# Altium PCB myAMP - Copy.PcbDoc (continued)
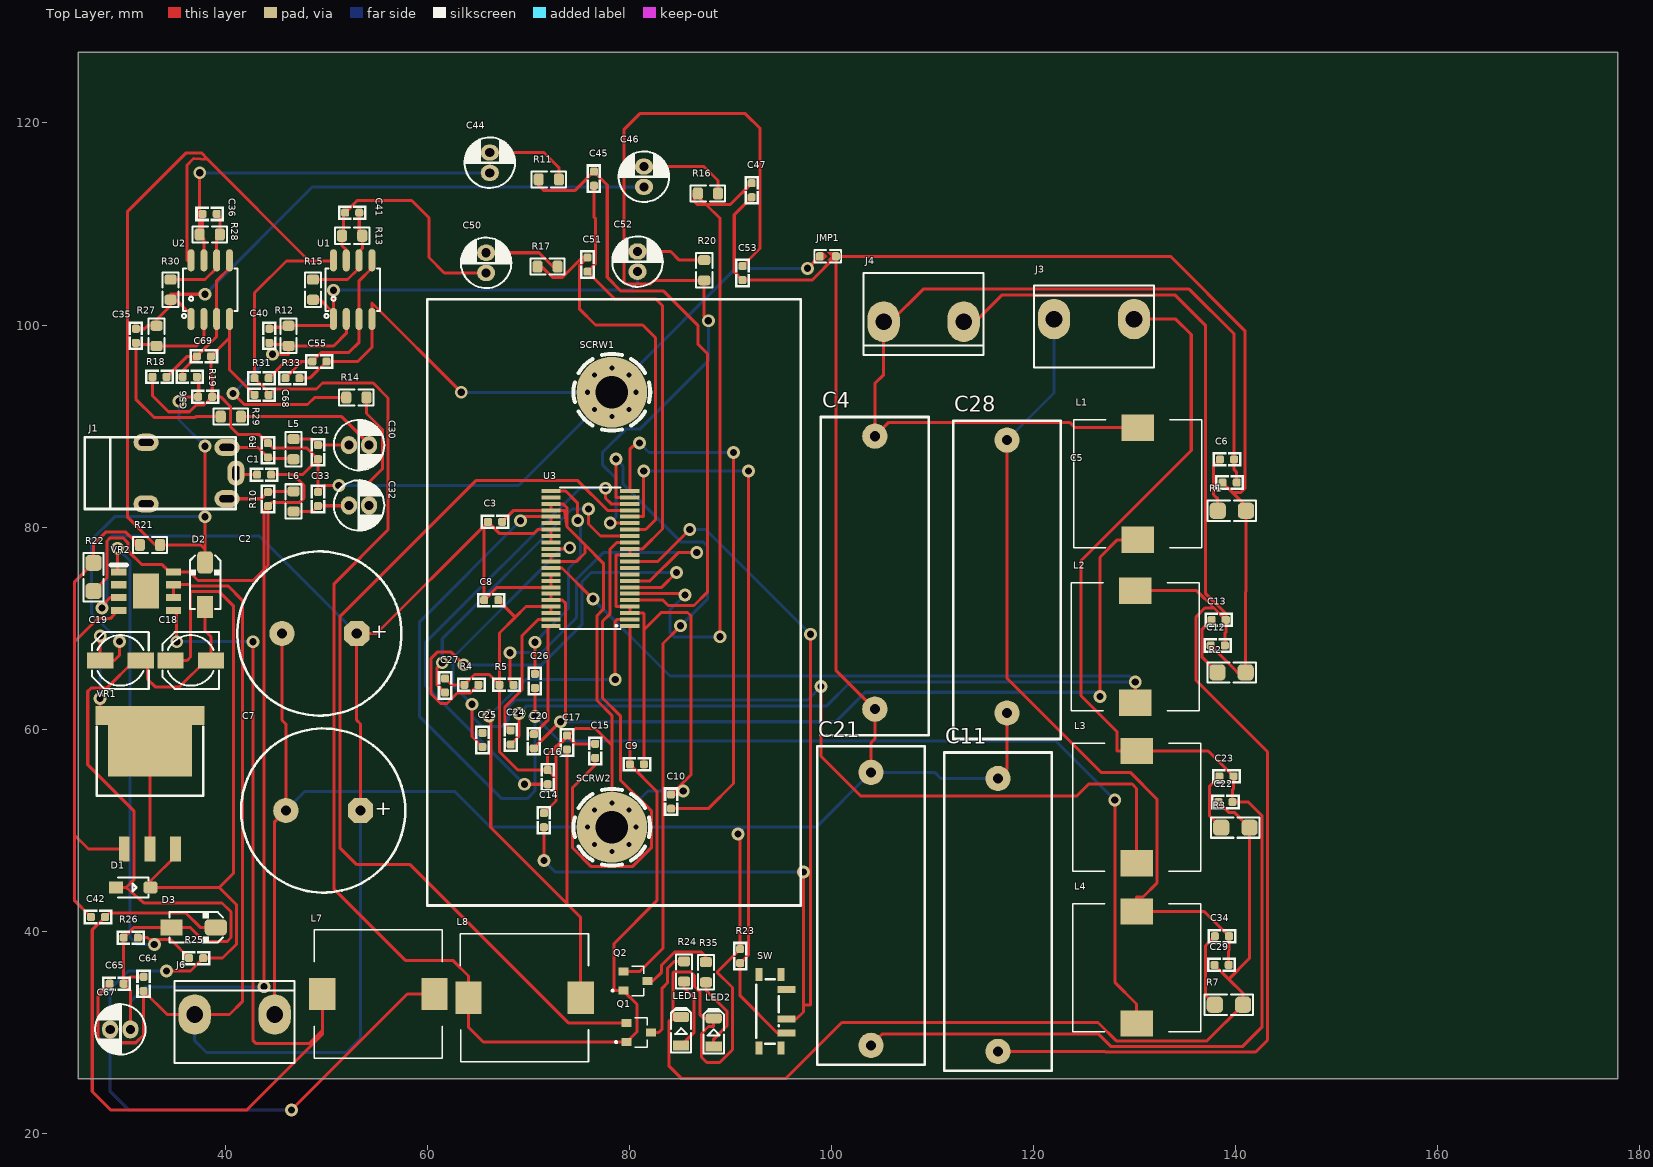
[diagram p0: Top Layer view]
## Footprints (in the part's own frame and the unit in brackets; to place one, negate y for a bottom-side part, rotate by r counter-clockwise, add the part's x,y. Pads: shape width x height; smd on the part's side, far side on the other; paste and mask are expansions set on the pad) (continued)
C_MKP_THT [mm] "pins distance: 27"
  round 2.5 hole 1: 1(-553.72,-3.427) 2(-526.701,-3.427)
  silkscreen extent -555.62,-8.76 -524.13,1.9
D2PAK [mm]
  rect 2.5x1.07 smd: 1(0,2.54) 2(0,-2.54) 3(0,0)
  rect 1.91x10.8 smd: 3(-13.215,0)
  rect 6.99x8.33 smd: 3(-10.675,0)
  silkscreen extent -12.13,-5.27 -5.3,5.27, body extent -13.67,-5.08 0.67,5.08, height 4.57
D_SOD123 [mm] "SOD123, 1206D"
  rect 1.4x1.2 smd paste-0.1 mask+0.1: 1(-1.7,0)
  rrect50% 1.4x1.2 smd paste-0.1 mask+0.1: 2(1.7,0)
  Top Layer pour cut-out: -1.016,1.1 -1.016,-1.1 1.016,-1.1 1.016,1.1
  silkscreen extent -1.5,-1 1.5,1, body extent -1.95,-0.97 1.95,0.96, height 1
DO-214AC [mm] "SMA Molded Diode, 2-Leads, Body 4.3x2.7mm, SOD-128"
  rect 2.2x1.6 smd paste-0.1: 1(-2.2,0)
  rrect50% 2.2x1.6 smd paste-0.1: 2(2.2,0)
  silkscreen extent -2.4,-1.5 2.9,1.5, body extent -2.75,-1.4 2.75,1.4, height 2.6
HOLE_3M [mm] "SCREW mouting, M3, 3.0mm diameter and 6.0mm FlangeHead"
  round 7 / inner round 3.5 / far side round 7 hole 3.2 mask+0.1: 1(0,0)
  Top Layer pour cut-out: 0,4 -1.531,3.696 -2.828,2.829 -3.695,1.531 -4,0 -4,0 -3.695,-1.53 -2.828,-2.828 -1.531,-3.695 0,-4 0,-4 2,-3.464 3.464,-2 4,0 4,0 3.696,1.531 2.828,2.828 1.531,3.696 0,4
  Bottom Layer pour cut-out: 0,4 -1.531,3.696 -2.828,2.829 -3.695,1.531 -4,0 -4,0 -3.695,-1.53 -2.828,-2.828 -1.531,-3.695 0,-4 0,-4 2,-3.464 3.464,-2 4,0 4,0 3.696,1.531 2.828,2.828 1.531,3.696 0,4
  silkscreen extent -3.8,-3.8 3.8,3.8
HTSSOP44_T [mm]
  rect 1.9x0.4 smd: 1(-3.9,6.668) 2(-3.9,6.033) 3(-3.9,5.398) 4(-3.9,4.763) 5(-3.9,4.128) 6(-3.9,3.493) 7(-3.9,2.858) 8(-3.9,2.223) 9(-3.9,1.588) 10(-3.9,0.953) 11(-3.9,0.318) 12(-3.9,-0.317) 13(-3.9,-0.952) 14(-3.9,-1.587) 15(-3.9,-2.222) 16(-3.9,-2.857) 17(-3.9,-3.492) 18(-3.9,-4.128) 19(-3.9,-4.763) 20(-3.9,-5.398) 21(-3.9,-6.033) 22(-3.9,-6.668) 23(3.9,-6.668) 24(3.9,-6.033) 25(3.9,-5.398) 26(3.9,-4.763) 27(3.9,-4.128) 28(3.9,-3.492) 29(3.9,-2.857) 30(3.9,-2.222) 31(3.9,-1.587) 32(3.9,-0.952) 33(3.9,-0.317) 34(3.9,0.318) 35(3.9,0.953) 36(3.9,1.588) 37(3.9,2.223) 38(3.9,2.858) 39(3.9,3.493) 40(3.9,4.128) 41(3.9,4.763) 42(3.9,5.398) 43(3.9,6.033) 44(3.9,6.668)
  silkscreen extent -3,-7 3,7, body extent -4.06,-7 4.06,7, height 1.01
J_PJ-321B [mm]
  oval 1.7x2.5 hole 0.7 slot 1.5 at 90 deg: 1(-5.969,-0.127)
  oval 2.5x1.7 hole 0.7 slot 1.5 at 0 deg: 2(-5.08,-2.667) 3(-5.08,2.413) 4(2.921,2.921) 4(2.921,-3.175)
  silkscreen extent -5.97,-3.68 9.02,3.43
JUMPER_0603 [mm] "CHIP Resistor 1/10 WATT, 1.6x0.8mm, 0603, 1608"
  rrect50% 0.8x0.8 smd paste-3 mask+0.05: 1(-0.8,0) 2(0.8,0)
  Top Layer region: 0.429,0.397 0.029,-0.003 0.429,-0.403 0.829,-0.403 0.829,0.397
  Top Layer region: -0.943,0.4 0.057,0.4 -0.343,0 0.057,-0.4 -0.943,-0.4
  silkscreen extent -1.33,-0.6 1.33,0.6, body extent -0.85,-0.4 0.85,0.4, height 0.56
L_0805 [mm] "INDUCTOR, FERRITE BEAD, 0805, 2.0X1.3mm"
  rrect50% 1x1.2 smd paste-5 mask+0.075: 1(-1,0) 2(1,0)
  Top Layer pour cut-out: -0.5,0.8 0.5,0.8 0.5,-0.8 -0.5,-0.8
  silkscreen extent -1.7,-0.8 1.7,0.8, body extent -1,-0.6 1,0.6, height 0.95
L_SLF12565 [mm]
  rect 2.6x3.2 smd: 1(-5.55,0) 2(5.55,0)
  silkscreen extent -6.35,-6.34 6.32,6.34, body extent -6.25,-6.25 6.25,6.25, height 6.85
LED_1206_RED [mm] "LED, 1206, RED"
  rect 1x1.6 smd paste-0.2 mask+0.075: 1(-1.4,0)
  rrect50% 1x1.6 smd paste-0.2 mask+0.075: 2(1.4,0)
  Top Layer pour cut-out: -1.1,1.1 -1.1,-1.1 1.1,-1.1 1.1,1.1
  silkscreen extent -2.1,-1 2.3,1, body extent -1.6,-0.8 1.6,0.8, height 0.68
PCBComponent_1 [mm]
  rect 0.7x1.8 smd: 1(0.443,-8.932) 2(1.843,-8.932) 3(4.73,-8.932)
  rect 1.3x0.7 smd: 4(-1.06,-6.215) 4(-1.056,-8.382) 4(6.23,-8.382) 4(6.23,-6.215)
  silkscreen extent -0.63,-8.14 5.77,-5.91
R_0603_2 [mm] "CHIP Resistor 1/10 WATT, 1.6x0.8mm, 0603, OPTIMIZED"
  rrect50% 0.8x0.8 smd paste-5 mask+0.075: 1(-0.7,0) 2(0.7,0)
  Top Layer pour cut-out: -0.5,0.4 0.5,0.4 0.5,-0.4 -0.5,-0.4
  silkscreen extent -1.4,-0.7 1.4,0.7, body extent -0.85,-0.4 0.85,0.4, height 0.56
R_0805 [mm] "CHIP RESISTOR 1/8 WATT ,2.0X1.3mm, 0805, 2012"
  rrect50% 1x1.2 smd paste-5 mask+0.075: 1(-1,0) 2(1,0)
  Top Layer pour cut-out: -0.5,0.8 0.5,0.8 0.5,-0.8 -0.5,-0.8
  silkscreen extent -1.7,-0.8 1.7,0.8, body extent -1.15,-0.67 1.15,0.68, height 0.76
R_1206 [mm]
  rrect50% 1.6x1.6 smd paste-5 mask+0.075: 1(-1.4,0) 2(1.4,0)
  Top Layer pour cut-out: -0.8,1 -0.8,-1 0.8,-1 0.8,1
  silkscreen extent -2.4,-1 2.4,1, body extent -1.67,-0.86 1.68,0.87, height 0.85
SO8_2 [mm] "SOP-8, 5x3.9mm body 1.27mm pitch, SOT96-1, M08A, S8, SOIC8, VO8, MS-012AA(JEDEC), R-8, 8S2, VOG8"
  oval 2.2x0.7 smd: 1(-2.9,1.905) 2(-2.9,0.635) 3(-2.9,-0.635) 4(-2.9,-1.905) 5(2.9,-1.905) 6(2.9,-0.635) 7(2.9,0.635) 8(2.9,1.905)
  silkscreen extent -2.8,-2.7 2.1,2.8, body extent -3,-2.45 3,2.45, height 1.7
SOIC127P600X170-9N [mm]
  rect 1.525x0.7 smd: 1(-2.712,1.905) 2(-2.712,0.635) 3(-2.712,-0.635) 4(-2.712,-1.905) 5(2.712,-1.905) 6(2.712,-0.635) 7(2.712,0.635) 8(2.712,1.905)
  rect 2.56x3.45 smd: 9(0,0)
  silkscreen extent -3.47,2.61 -1.95,2.61, body extent -2.45,-3 2.45,3, height 1.7
TRANS_DTC113ZKAT146 [mm]
  rect 1x0.8 smd: 1(-1.2,-0.95) 2(-1.2,0.95) 3(1.2,0)
  silkscreen extent -2.35,-1.45 0.82,1.45, body extent -1.4,-1.45 1.4,1.45, height 1.4
VH3_2 [mm]
  oval 3.2x4 hole 1.65: 1(-3.96,0) 2(3.96,0)
  silkscreen extent -5.94,-4.8 5.94,3.31, body extent -5.92,-4.66 5.9,3.84, height 10.9

## Part data
C1 C3 C4 C5 C6 C8 C9 C10 C11 C12 C13 C14 C15 C16 C17 C20 C21 C22 C23 C24 C25 C26 C27 C28 C29 C30 C31 C32 C33 C34 C35 C36 C40 C41 C44 C45 C46 C47 C50 C51 C52 C53 C56 C67 C68: library part Cap, "Capacitor", LatestRevisionDate=17-Jul-2002, LatestRevisionNote="Re-released for DXP Platform.", PackageReference=RAD-0.3, Published=8-Jun-2000, Publisher="Altium Limited"
  C3 C4 C5 C6 C8 C9 C10 C11 C12 C13 C14 C15 C16 C17 C20 C21 C22 C23 C24 C25 C26 C27 C28 C29 C34: PackageDescription="Radial Cap, Thru-Hole; 2 Leads; 0.3 in Pin Spacing"
C2 C7 C18 C19: library part "Cap Pol1", "Polarized Capacitor (Radial)", LatestRevisionDate=17-Jul-2002, LatestRevisionNote="Re-released for DXP Platform.", PackageReference=RB7.6-15, Published=8-Jun-2000, Publisher="Altium Limited"
C42 C55 C64 C65 C69: "Capacitor", LatestRevisionDate=17-Jul-2002, LatestRevisionNote="Re-released for DXP Platform.", PackageDescription="Radial Cap, Thru-Hole; 2 Leads; 0.3 in Pin Spacing", PackageReference=RAD-0.3, Published=8-Jun-2000, Publisher="Altium Limited"
D1 D2: library part "D Zener", "Zener Diode", LatestRevisionDate=17-Jul-2002, LatestRevisionNote="Re-released for DXP Platform.", PackageDescription="Diode, Thru-Hole; 2 Leads; 0.7 in Pin Spacing", PackageReference=DIODE-0.7, Published=8-Jun-2000, Publisher="Altium Limited"
D3: library part "D Schottky", "Schottky Diode", Code_JEDEC=DO-214-AA, LatestRevisionDate=17-Jul-2002, LatestRevisionNote="Re-released for DXP Platform.", PackageDescription="DO-214-AA/SMB; 2 C-Bend Leads; Body 5.3 x 3.6 mm, inc. leads (LxW)", PackageReference=SMB, Published=8-Jun-2000, Publisher="Altium Limited"
J1: Current Rating (Max)=500mA, JLCPCB Part Class="Extended Part", LCSC Part Name=3.5mm耳机座, Manufacturer="XKB Connection(中国星坤)", Operating Temperature Range=-20℃~+70℃, Soldering Temperature(Max)=235℃, Voltage Rating (Max)=30V, Add into BOM=yes, Connector Type=3.5mm耳机座, Convert to PCB=yes, Datasheet=https://atta.szlcsc.com/upload/public/pdf/source/20211011/0B12C1EC3FF575692CC2E8C172D7F9F9.pdf, Device=PJ-321B, Manufacturer Part=PJ-321B, Supplier=LCSC, Supplier Footprint=插件, Supplier Part=C692436, Symbol=PJ-321B
J3 J4 J6 JMP1: library part "Header 2", "Header, 2-Pin", LatestRevisionDate=17-Jul-2002, LatestRevisionNote="Re-released for DXP Platform.", Publisher="Altium Limited"
L1 L2 L3 L4 L5 L6 L8: library part Inductor, "Inductor", Code_IEC=1005, Code_JEITA=0402, LatestRevisionDate=29-May-2009, LatestRevisionNote="IPC-7351 Footprint Added.", PackageDescription="Chip Inductor", PackageReference=0402-A, Published=8-Jun-2000, Publisher="Altium Limited"
LED1 LED2: library part LED0, LatestRevisionDate=08-Jul-2005, LatestRevisionNote="Mech Layer 1 removed.", PackageReference=LED-0, Published=8-Jun-2000, Publisher="Altium Limited"
Q1 Q2: library part PNP_MMBT2907_SOT23, "BJT, PNP, 40v, 0.6A, SMD, SOT23", MANF="Diodes, NXP, FAIRCHILD, ON", MANF_P#=MMBT2907, PARAM="40v, 0.6A", PARAM2=250mW
R1 R2 R3 R4 R5 R7 R23 R24 R35: library part Res1, "Resistor", LatestRevisionDate=17-Jul-2002, LatestRevisionNote="Re-released for DXP Platform.", PackageDescription="Axial Device, Thru-Hole; 2 Leads; 0.3 in Pin Spacing", PackageReference=AXIAL-0.3, Published=8-Jun-2000, Publisher="Altium Limited"
R9 R10 R11 R12 R13 R14 R15 R16 R17 R20 R27 R28 R29 R30: library part "Res SEMI", "Semiconductor Resistor", LatestRevisionDate=17-Jul-2002, LatestRevisionNote="Re-released for DXP Platform.", PackageReference=AXIAL-0.5, Published=8-Jun-2000, Publisher="Altium Limited"
R18 R19 R31 R33: "Semiconductor Resistor", LatestRevisionDate=17-Jul-2002, LatestRevisionNote="Re-released for DXP Platform.", PackageDescription="Axial Device, Thru-Hole; 2 Leads; 0.5 in Pin Spacing", PackageReference=AXIAL-0.5, Published=8-Jun-2000, Publisher="Altium Limited"
R21 R22 R25 R26: "Resistor", LatestRevisionDate=17-Jul-2002, LatestRevisionNote="Re-released for DXP Platform.", PackageDescription="Axial Device, Thru-Hole; 2 Leads; 0.3 in Pin Spacing", PackageReference=AXIAL-0.3, Published=8-Jun-2000, Publisher="Altium Limited"
SCRW1 SCRW2: library part SCRW, "SCREW, M4, 4mm diameter and 8.0mm, FlatHead", ASSEMBLY=DNP
SW: Actuator Color=-, Current Rating (DC)=100mA, JLCPCB Part Class="Extended Part", Manufacturer="SHOU HAN(首韩)", Operating Temperature=-25℃~+70℃, Voltage Rating (DC)=12V, Actuator Style=-, Add into BOM=yes, Circuit=SPDT, Convert to PCB=yes, Current Rating (AC)=-, Datasheet=https://atta.szlcsc.com/upload/public/pdf/source/20220429/8AEFBC67104491914BC5659DE1F359A3.pdf, Device=MSS12C02LS-BB2.0, LCSC Part Name=MSS12C02LS-BB2.0, Manufacturer Part=MSS12C02LS-BB2.0, Mechanical Life=1万次, Mounting Style="Brick nogging", Pin Style=SMDSplicing, Supplier=LCSC, Supplier Footprint=SMD, Supplier Part=C3008585, Switch Height=1.4mm, Switch Length=6.65mm, Switch Width=2.75mm, Symbol=MSS12C02LS-BB2.0, Voltage Rating (AC)=-
U1 U2: "SoundPlus Audio Operational Amplifier with 1.1nV/?Hz Noise, Low THD and Precision 8-SOIC -40 to 85", Package="SOIC-8 Texas Instruments", Availability="In Stock", Check_prices=https://www.snapeda.com/parts/OPA1612AID/Texas+Instruments/view-part/?ref=eda, MF="Texas Instruments", MP=OPA1612AID, PRICE=None, Purchase-URL=https://pricing.snapeda.com/search/part/OPA1612AID/?ref=eda, SnapEDA_Link=https://www.snapeda.com/parts/OPA1612AID/Texas+Instruments/view-part/?ref=snap
VR1: "Voltage Regulator", LatestRevisionDate=29-May-2009, LatestRevisionNote="IPC-7351 Footprint Added.", PackageDescription="3-Pin Transistor Outline Package 2.54 mm Pitch, 15.1 mm Lead Span", PackageReference=D2PAK, Published=24-Mar-1999, Publisher="Altium Limited"
VR2: "Buck Switching Regulator IC Positive Fixed 5V 1 Output 1A 8-SOIC (0.154, 3.90mm Width) Exposed Pad", Package="SOIC-8 Monolithic Power", Check_prices=https://www.snapeda.com/parts/MP9486AGN-Z/Monolithic+Power+Systems+Inc./view-part/?ref=eda, MF="Monolithic Power", MP=MP9486AGN-Z, SnapEDA_Link=https://www.snapeda.com/parts/MP9486AGN-Z/Monolithic+Power+Systems+Inc./view-part/?ref=snap
L7: Code_IEC=1005, Code_JEITA=0402, LatestRevisionDate=29-May-2009, LatestRevisionNote="IPC-7351 Footprint Added.", PackageDescription="Chip Inductor", PackageReference=0402-A, Published=8-Jun-2000, Publisher="Altium Limited"

## Via types
v1: diameter 1.27, hole 0.711, Top Layer to Bottom Layer, 61 vias
v2: diameter 0.8, hole 0.5, Top Layer to Bottom Layer, 16 vias

## Nets (pads, with @x,y where several pads share a name; then routed paths per layer and width w, separated by ;. In a path a pad name is that pad's centre, name@x,y a point inside that pad or via, vN(x,y) a via of type N, cw(c..) or ccw(c..) an arc to the next point about the centre after c; other vN are vias at no path point)
+12: C9.1 C19.1 C56.1 C68.1 D2.2 L8.1 Q1.1 Q2.1 R19.2 R21.2 R31.2 U1.8 U2.8 U3.1 VR1.3 | length 320.5
  Top Layer w0.3: v1(27.559,63.017) 27.559,61.341 32.512,61.341 32.512,58.801 VR1.3@32.512,48.126 ; v1(27.584,69.209) 27.584,66.802 C19.1 28.981,66.802 29.489,67.31 v1(29.489,68.671) ; v1(35.391,92.456) 35.834,92.899 C56.1 37.341,92.964 37.341,94.677 R19.2 ; U2.8 36.17,106.405 36.17,115.824 36.83,116.484 38.202,116.408 ; D2.2 37.973,77.787 ; v1(37.973,88.011) v1(37.973,81.028) 37.973,77.787 ; U1.8 50.673,106.35 48.26,106.35 ; U3.1 C9.1 82.69,53.835 82.69,43.015 78.461,38.786 78.461,34.109 Q2.1 80.721,32.755 80.721,30.044 Q1.1 65.504,29.022 64.046,30.48 L8.1 64.046,35.56 62.497,37.109 57.785,37.109 50.749,44.145 50.749,74.397 56.083,79.731 56.083,92.786 54.61,94.259 49.581,94.259 48.997,93.675 44.845,93.675 C68.1 44.042,93.31 44.042,93.561 R31.2 42.861,103.186 46.025,106.35 48.26,106.35 ; 37.973,77.787 37.529,78.232 R21.2 33.045,78.232 30.302,80.975 30.302,111.252 36.093,117.043 37.643,117.043 38.202,116.408 ; 38.202,116.408 48.26,106.35
  Bottom Layer w0.3: v1(27.559,63.017) 27.559,69.209 v1(27.584,69.209) ; v1(29.489,68.671) 26.723,71.438 26.723,78.74 29.012,81.028 v1(37.973,81.028) ; v1(35.391,92.456) 35.391,90.593 v1(37.973,88.011)
+12A: C10.1 U3.22 | length 55
  Top Layer w0.3: U3.22 80.01,87.694 80.645,88.328 v1(80.962,88.328) ; C10.1 84.093,52.121 87.782,52.121 90.272,54.61 v1(90.272,87.376)
  Bottom Layer w0.3: v1(80.962,88.328) 81.915,87.376 v1(90.272,87.376)
+13.5: C18.1 C67.2 D1.2 L7.2 R25.2 VR1.1 | length 122
  Top Layer w0.3: v1(34.138,36.068) 36.514,36.068 R25.2 39.7,37.338 41.097,38.735 41.097,42.596 39.37,44.323 ; C18.1 36.195,66.802 36.525,67.132 36.525,73.609 39.37,73.609 40.767,72.212 40.767,45.72 39.37,44.323 ; VR1.1 35.052,47.449 32.561,44.958 D1.2 39.37,44.323 ; v1(46.507,22.301) 57.988,33.782 L7.2
  Bottom Layer w0.3: v1(34.138,36.068) 30.353,36.068 28.575,34.29 C67.2 28.575,24.13 30.404,22.301 v1(46.507,22.301)
AMP_CLIP: Q2.2 U3.21 | length 65.4
  Top Layer w0.3: v1(78.638,86.739) 78.638,82.931 U3.21 ; Q2.2 80.999,36.009 83.287,38.297 83.287,68.478 v1(85.039,70.231)
  Bottom Layer w0.3: v1(78.638,86.739) 79.312,86.065 79.312,84.289 85.092,78.509 87.312,78.509 87.678,78.143 87.678,72.87 v1(85.039,70.231)
AMP_FAULT: Q1.2 U3.19 | length 94
  Top Layer w0.3: Q1.2 73.929,30.922 58.268,46.584 52.984,46.584 51.308,48.26 51.308,71.12 64.821,84.633 74.821,84.633 77.792,81.661 U3.19
AMP_RESET: R23.1 SW.1 U3.18 | length 74.7
  Top Layer w0.3: U3.18 81.382,81.026 v1(81.382,85.547) ; v1(91.745,85.547) 91.745,37.643 R23.1 90.932,33.607 94.615,29.924 SW.1
  Bottom Layer w0.3: v1(81.382,85.547) v1(91.745,85.547)
AUDIO_L: J1.3 L6.1 R10.2 | length 6.9
  Top Layer w0.3: J1.3 43.516,82.804 R10.2 44.222,83.51 46.7,83.51 L6.1
AUDIO_L+: C32.2 R14.1 | length 11.9
  Top Layer w0.3: R14.1 53.943,91.243 55.524,89.662 55.524,85.772 54.208,84.455 C32.2
AUDIO_L_M: C40.1 C52.1 R12.2 R15.1 U1.1 | length 44
  Top Layer w0.3: C40.1 44.473,99.783 46.078,99.783 R12.2 50.488,99.933 50.673,100.118 U1.1 U1.1@50.673,101.188 ; R15.1 49.356,102.505 U1.1@50.673,101.188 ; v1(50.673,103.452) U1.1@50.673,101.188
  Bottom Layer w0.3: v1(50.673,103.452) 80.084,103.452 80.772,104.14 C52.1
AUDIO_L_P: C41.1 C50.1 R13.2 U1.7 | length 24.7
  Top Layer w0.3: U1.7 51.943,107.442 51.528,107.857 R13.2 51.678,108.989 51.678,110.975 C41.1 53.022,112.319 58.42,112.319 60.122,110.617 60.122,106.68 61.646,105.156 C50.1
Audio_OUT_L_M: C28.1 C29.1 C34.1 J3.1 L4.2 | length 82.6
  Top Layer w0.3: C28.1 117.348,65.024 126.644,55.728 129.54,55.728 132.182,53.086 132.182,44.755 130.81,43.383 130.175,43.383 L4.2 136.863,41.956 C34.1 139.322,38.082 139.289,38.049 C29.1
  Bottom Layer w0.3: C28.1 122.001,93.267 J3.1
Audio_OUT_L_P: C21.1 C22.1 C23.1 J3.2 L3.2 | length 133.6
  Top Layer w0.3: C21.1 105.029,29.845 126.37,29.845 127.617,28.598 140.688,28.598 142.57,30.48 142.57,51.46 141.242,52.789 C22.1 139.67,54 139.765,54.096 C23.1 137.263,57.831 L3.2 128.229,57.831 128.229,59.752 124.663,63.317 124.663,76.657 135.585,87.579 135.585,99.06 134.061,100.584 J3.2
Audio_OUT_R_M: C11.1 C12.1 C13.1 J4.1 L2.2 | length 143.1
  Top Layer w0.3: J4.1 114.198,100.33 116.865,102.997 133.966,102.997 136.982,99.98 136.982,73.458 139.003,71.438 C13.1 ; C11.1 127.063,28.099 127.118,28.044 141.963,28.044 143.129,29.21 143.129,57.76 136.068,64.821 136.068,71.12 136.931,71.984 137.842,71.984 ; L2.2 136.12,73.706 137.842,71.984 ; C12.1 138.908,69.494 139.003,69.59 C13.1 ; 137.842,71.984 C13.1
Audio_OUT_R_P: C4.1 C5.1 C6.1 J4.2 L1.2 | length 91.2
  Top Layer w0.3: L1.2 124.084,89.835 123.546,90.373 105.645,90.373 C4.1 104.267,94.209 105.133,95.075 J4.2 105.816,100.33 109.042,103.556 135.382,103.556 139.83,99.108 C6.1 139.83,85.671 140.081,85.42 C5.1
AUDIO_R: J1.2 L5.1 R9.2 | length 7.1
  Top Layer w0.3: J1.2 43.211,87.884 R9.2 44.285,86.81 46.636,86.81 L5.1
AUDIO_R+: C30.2 R29.1 | length 13.9
  Top Layer w0.3: R29.1 51.488,90.932 54.208,88.213 C30.2
AUDIO_R_M: C35.1 C46.1 R27.2 R30.1 U2.1 | length 60.2
  Top Layer w0.3: C35.1 31.979,99.633 32.279,99.933 R27.2 33.147,100.508 34.544,101.905 R30.1 ; U2.1 36.576,101.034 35.105,102.505 R30.1 ; v1(37.973,103.048) 34.544,103.048 R30.1
  Bottom Layer w0.3: v1(37.973,103.048) 48.606,113.681 C46.1
AUDIO_R_P: C36.1 C44.1 R28.2 U2.7 | length 39.7
  Top Layer w0.3: v1(37.431,115.07) R28.2 ; C36.1 37.716,109.251 R28.2 ; U2.7 37.846,108.551 R28.2
  Bottom Layer w0.3: v1(37.431,115.07) C44.1
AUDIO_TPAIN_L_M: C53.1 R20.2 U3.17 | length 84.4
  Top Layer w0.3: v1(78.08,80.391) U3.17 ; v1(87.782,100.432) 87.376,100.838 R20.2 82.414,104.426 82.067,104.079 79.639,104.079 79.451,104.267 79.451,119.38 81.001,120.929 91.44,120.929 92.888,119.482 92.888,107.569 C53.1
  Bottom Layer w0.3: v1(78.08,80.391) 78.638,80.95 78.638,84.836 77.292,86.182 77.292,87.376 79.604,89.687 81.001,89.687 87.782,96.469 v1(87.782,100.432)
AUDIO_TPAIN_L_P: C51.1 R17.2 U3.16 | length 41.3
  Top Layer w0.3: R17.2 71.298,105.783 72.382,104.699 73.33,104.699 75.314,106.683 C51.1 75.006,105.87 75.006,101.6 76.606,100 81.28,100 82.55,98.73 82.55,80.724 81.583,79.756 U3.16
AUDIO_TPAIN_R_M: C47.1 R16.2 U3.6 | length 67.7
  Top Layer w0.3: U3.6 85.344,73.406 v1(85.471,73.279) ; v1(88.951,69.139) 88.951,110.541 87.554,111.938 ; C47.1 89.964,111.938 87.554,111.938 ; 87.554,111.938 86.738,112.754 R16.2 86.36,113.022 86.36,112.255 86.677,111.938 87.554,111.938
  Bottom Layer w0.3: v1(85.471,73.279) 83.998,71.806 83.998,69.532 84.391,69.139 v1(88.951,69.139)
AUDIO_TPAIN_R_P: C45.1 R11.2 U3.5 | length 64.2
  Top Layer w0.3: R11.2 70.99,113.814 71.469,113.335 74.597,113.335 C45.1 77.775,113.871 77.775,104.724 79.146,103.353 83.363,103.353 86.742,99.973 86.742,98.122 87.681,97.184 87.681,73.558 86.36,72.238 83.82,72.238 83.287,72.771 U3.5
AUDIO_W_L_M++: C26.1 L4.1 U3.27 U3.28 | length 136.5
  Top Layer w0.3: v1(69.19,80.62) 69.596,81.026 U3.27 U3.28 ; v1(70.612,61.265) C26.1 ; v1(128.016,52.984) 128.016,34.95 130.175,32.791 L4.1
  Bottom Layer w0.3: v1(69.19,80.62) 59.207,70.637 59.207,61.239 67.335,53.111 69.85,53.111 70.612,53.873 v1(70.612,61.265) 73.05,58.826 122.174,58.826 v1(128.016,52.984)
AUDIO_W_L_P++: C25.1 L3.1 U3.32 | length 114.4
  Top Layer w0.3: v1(64.389,62.459) 64.389,59.263 C25.1 ; U3.32 73.965,77.851 v1(74.066,77.953) ; v1(98.933,64.211) 98.933,57.328 102.87,53.391 124.257,53.391 125.425,54.559 129.743,54.559 130.175,54.127 L3.1
  Bottom Layer w0.3: v1(74.066,77.953) 73.384,77.953 62.515,67.084 62.515,64.332 v1(64.389,62.459) 64.389,61.265 65.405,60.249 67.31,60.249 67.996,60.935 67.996,62.23 68.656,62.89 97.612,62.89 v1(98.933,64.211)
AUDIO_W_R_M++: C24.1 L2.1 U3.35 | length 130.3
  Top Layer w0.3: C24.1 69.037,59.301 v1(69.037,61.544) ; U3.35 73.304,75.946 v1(76.352,72.898) ; L2.1 v1(130.048,64.668)
  Bottom Layer w0.3: v1(69.037,61.544) 69.797,62.304 99.496,62.304 101.86,64.668 v1(130.048,64.668) 129.461,65.255 83.995,65.255 v1(76.352,72.898)
AUDIO_W_R_P++: C20.1 L1.1 U3.39 U3.40 | length 90.9
  Top Layer w0.3: C20.1 v1(73.134,60.731) 73.66,61.257 73.66,72.453 73.343,72.771 U3.40 U3.39 ; v1(126.543,63.221) 126.543,77.008 128.27,78.735 L1.1
  Bottom Layer w0.3: v1(73.134,60.731) 100.381,60.731 103.302,63.652 126.111,63.652 v1(126.543,63.221)
DVDD: C14.1 SW.2 U3.11 | length 106.2
  Top Layer w0.3: v1(71.501,46.99) C14.1 ; U3.11 82.753,76.581 v1(85.941,79.769) ; SW.2 96.52,31.324 97.206,32.01 97.206,32.696 ; v1(97.206,45.847) 97.206,32.696 ; v1(97.892,69.397) 97.892,32.696 97.206,32.696
  Bottom Layer w0.3: v1(71.501,46.99) 72.644,45.847 v1(97.206,45.847) ; v1(85.941,79.769) 87.52,79.769 v1(97.892,69.397)
EN: C2.1 C3.1 C7.1 C8.1 C64.1 C65.1 J6.1 U3.29 U3.30 U3.31 U3.36 U3.37 U3.38 VR2.3 VR2.6 VR2.7 | length 214.7
  Top Layer w0.3: v1(27.762,71.984) 27.762,72.212 28.575,73.025 VR2.3 ; C65.1 27.356,33.644 27.356,29.527 27.927,28.956 31.115,28.956 31.877,29.718 C64.1 34.214,31.75 J6.1 40.386,31.75 41.656,33.02 41.656,72.766 40.259,74.163 36.606,74.163 36.474,74.295 VR2.7 VR2.6 ; C7.1 53.357,60.503 52.976,60.884 C2.1 54.926,69.469 65.594,80.137 ; U3.36 U3.37 U3.38 66.864,74.041 C8.1 65.594,80.137 ; U3.31 U3.30 U3.29 70.891,79.756 70.485,79.35 67.143,79.35 C3.1 65.594,80.137
  Bottom Layer w0.3: v1(27.762,71.984) 28.247,72.469 28.247,78.59 28.778,79.121 43.324,79.121 C2.1 ; J6.1 36.934,29.157 38.1,27.991 51.943,27.991 53.357,29.405 C7.1
FB: R25.1 R26.2 VR2.1 | length 50.7
  Top Layer w0.3: v1(29.286,77.902) 29.286,75.946 VR2.1 ; R26.2 32.267,39.361 32.461,39.167 ; v1(32.944,38.684) 32.461,39.167 ; R25.1 34.555,39.167 32.461,39.167
  Bottom Layer w0.3: v1(29.286,77.902) 30.528,76.66 30.528,39.398 31.242,38.684 v1(32.944,38.684)
GNDA: C1.1 C18.2 C19.2 C31.1 C33.1 C55.2 C56.2 C64.2 C65.2 C67.1 C68.2 C69.2 D1.1 D2.1 D3.1 JMP1.2 R9.1 R10.1 R18.1 R22.1 R26.1 R33.1 SCRW1.1 U1.4 U2.4 VR2.8 | length 329.9
  Top Layer w0.3: R22.1 28.247,74.98 28.247,78.613 28.575,78.941 29.845,78.941 30.325,78.461 30.325,77.671 31.677,76.319 33.663,76.319 34.417,75.565 VR2.8 36.424,75.565 37.271,74.717 42.708,74.717 43.79,75.799 ; D1.1 30.15,44.323 ; C67.1 30.575,34.133 C65.2 ; C64.2 30.599,35.487 C65.2 ; R18.1 32.758,93 34.341,91.417 36.424,91.417 37.082,92.075 37.852,92.075 C56.2 ; D3.1 D3.1@34.63,40.386 ; D2.1 37.973,69.71 38.544,69.139 C18.2 38.049,66.802 35.433,64.186 33.02,64.186 32.258,64.948 32.258,66.802 C19.2 30.988,66.802 28.242,64.056 26.67,64.056 26.352,63.739 26.352,56.477 30.912,51.918 30.912,45.085 30.15,44.323 ; U2.4 40.386,98.741 ; C68.2 40.386,95.566 40.386,98.741 ; v1(43.79,34.493) 43.79,75.799 ; C1.1 46.698,85.192 ; R33.1 48.325,94.742 C55.2 53.086,96.393 54.483,97.79 U1.4 54.483,102.184 v1(63.322,93.345) ; v1(51.206,84.125) 49.79,84.125 C33.1 C31.1 ; v1(97.612,105.613) JMP1.2 ; C65.2 29.91,37.059 29.907,37.062 R26.1 30.932,40.386 D3.1@34.63,40.386 ; 30.15,44.323 31.902,42.799 39.649,42.799 40.538,41.91 40.538,39.37 40.132,38.964 37.897,38.964 36.474,40.386 D3.1@34.63,40.386 ; C56.2 39.511,92.899 40.488,91.923 40.488,89.941 41.275,89.154 43.341,89.154 R9.1 44.687,87.808 48.051,87.808 C31.1 ; C56.2 38.676,94.818 38.546,94.948 C69.2 40.386,98.741 ; 43.79,75.799 44.191,76.2 R10.1 ; 43.79,75.799 43.79,81.678 R10.1 ; R10.1 44.56,82.448 47.333,82.448 47.752,82.867 47.752,84.138 46.698,85.192 ; 46.698,85.192 47.62,85.192 C31.1
  Bottom Layer w0.3: C67.1 30.575,33.02 32.048,34.493 v1(43.79,34.493) ; v1(51.206,84.125) 69.012,84.125 v2(76.535,91.648) SCRW1.1 ; v1(63.322,93.345) v2(75.832,93.345) SCRW1.1 ; v1(97.612,105.613) 90.5,105.613 v2(79.929,95.042) SCRW1.1
  other v2: 78.232,90.945 79.929,91.648 80.632,93.345 76.535,95.042 78.232,95.745
GNDB: C2.2 C3.2 C4.2 C5.2 C7.2 C8.2 C9.2 C10.2 C11.2 C12.2 C14.2 C15.2 C16.2 C17.2 C21.2 C22.2 C27.2 C28.2 C29.2 C45.2 C47.2 C51.2 C53.2 J6.2 JMP1.1 LED1.2 LED2.2 R1.1 R2.1 R3.1 R4.1 R5.1 R7.1 R23.2 SCRW2.1 U3.3 U3.4 U3.12 U3.13 U3.25 U3.26 U3.33 U3.34 U3.41 U3.42 | length 624.7
  Top Layer w0.3: J6.2 44.854,50.84 C7.2 45.957,60.503 45.576,60.884 C2.2 ; C27.2 62.357,64.389 R4.1 64.643,65.405 66.082,65.405 R5.1 ; C8.2 68.676,71.089 ; C3.2 68.518,81.661 U3.26 ; C14.2 72.695,52.883 72.695,55.132 ; U3.42 U3.41 69.723,72.136 68.676,71.089 ; U3.33 U3.34 74.706,76.581 75.565,77.44 75.565,78.26 ; C45.2 76.454,110.693 76.632,110.515 76.632,106.096 C51.2 78.502,102.6 82.55,102.6 83.236,101.914 83.236,79.807 81.28,77.851 U3.13 U3.12 78.638,77.216 78.638,72.136 U3.4 U3.3 81.356,71.501 81.41,71.447 81.41,69.85 ; C15.2 74.614,58.547 C17.2@73.858,59.303 ; SCRW2.1 v2(78.232,52.692) 78.232,58.42 ; C9.2 81.41,69.85 ; v1(85.293,53.873) 84.944,53.524 C10.2 86.081,55.512 86.081,71.196 85.725,71.552 83.112,71.552 81.41,69.85 ; v1(90.703,49.632) 90.932,49.403 R23.2 88.671,35.969 88.671,35.916 90.17,34.417 90.17,28.27 88.9,27 87.63,27 87.097,27.534 87.097,29.845 87.808,30.556 88.311,30.556 LED2.2 87.312,31.372 86.97,31.715 86.97,33.96 86.411,34.519 86.411,35.598 86.042,35.966 84.358,35.966 84.275,35.883 84.275,31.499 LED1.2 83.871,31.115 83.871,26.67 85.141,25.4 95.428,25.4 100.99,30.963 126.36,30.963 128.171,29.152 137.148,29.152 R7.1 140.719,33.83 139.294,35.255 ; C47.2 90.348,110.922 90.348,105.267 C53.2 98.047,104.448 JMP1.1 ; C21.2 103.886,58.649 104.267,59.03 C4.2 100.406,65.837 JMP1.1 ; C11.2 117.348,56.007 C28.2 ; C12.2 140.106,65.684 140.106,65.616 R2.1 140.973,73.584 141.005,73.616 R1.1 140.64,81.618 140.64,82.453 139.654,83.439 ; C29.2 139.294,35.255 ; C22.2 139.294,51.765 139.841,51.765 R3.1 141.357,37.319 139.294,35.255 ; C5.2 139.654,83.439 ; R5.1 67.106,69.519 68.676,71.089 ; R5.1 67.106,57.76 68.921,55.945 C16.2 ; C16.2 72.695,55.132 ; C16.2 71.882,57.469 C17.2 C17.2@73.858,59.303 ; U3.26 U3.25 73.406,82.296 73.815,81.887 73.815,80.01 ; U3.26 73.553,81.661 73.815,80.01 ; 72.695,55.132 72.695,58.141 C17.2@73.858,59.303 ; 73.815,80.01 75.565,78.26 ; C17.2@73.858,59.303 74.625,60.071 76.581,60.071 78.232,58.42 ; 75.565,78.26 77.391,76.433 77.391,71.859 76.756,71.224 76.756,62.842 78.232,61.366 78.232,58.42 ; JMP1.1 133.528,106.807 140.894,99.441 140.894,83.82 140.513,83.439 139.654,83.439
  Bottom Layer w0.3: C7.2 47.862,53.848 62.662,53.848 66.218,50.292 v2(75.832,50.292) SCRW2.1 ; v1(85.293,53.873) 81.813,53.873 v2(79.929,51.989) SCRW2.1 ; v1(90.703,49.632) 91.364,50.292 ; C11.2 110.788,55.118 110.185,55.721 C21.2 98.457,50.292 91.364,50.292 ; SCRW2.1 v2(80.632,50.292) 91.364,50.292
  other v2: 78.232,47.892 76.535,48.595 79.929,48.595 76.535,51.989
NetC1_2: C1.2 J1.1 | length 2.2
  Top Layer w0.3: J1.1 41.173,85.192 C1.2
NetC6_2: C6.2 R1.2 | length 5.5
  Top Layer w0.3: R1.2 138.205,82.804 137.795,83.214 137.795,86.063 C6.2
NetC13_2: C13.2 R2.2 | length 6.3
  Top Layer w0.3: C13.2 136.627,69.847 136.627,67.162 R2.2
NetC15_1: C15.1 U3.14 | length 53.3
  Top Layer w0.3: C15.1 76.581,56.457 74.328,54.204 74.328,48.252 76.2,46.38 80.256,46.38 82.136,48.26 82.136,51.909 79.07,54.975 79.07,61.318 77.31,63.078 77.31,70.67 78.026,71.386 78.026,77.772 78.74,78.486 U3.14
NetC16_1: C16.1 U3.20 | length 48.2
  Top Layer w0.3: v1(69.572,54.545) C16.1 ; v1(77.597,83.845) 77.597,82.865 78.165,82.296 U3.20
  Bottom Layer w0.3: v1(69.572,54.545) 59.769,64.348 59.769,68.541 75.073,83.845 v1(77.597,83.845)
NetC17_1: C17.1 L8.2 U3.2 | length 70.1
  Top Layer w0.3: v1(66.065,61.29) 66.243,61.112 66.243,50.254 75.146,41.351 ; C17.1 73.787,54.75 73.774,54.737 73.774,42.736 75.146,41.364 75.146,41.351 ; L8.2 75.146,41.351 ; v1(78.562,64.922) 78.562,70.663 78.765,70.866 U3.2
  Bottom Layer w0.3: v1(66.065,61.29) 69.698,64.922 v1(78.562,64.922)
NetC20_2: C20.2 U3.44 | length 11.6
  Top Layer w0.3: C20.2 71.933,60.93 71.933,70.231 U3.44
NetC23_2: C23.2 R3.2 | length 6
  Top Layer w0.3: C23.2 137.389,54.353 137.389,51.417 R3.2
NetC24_2: C24.2 U3.43 | length 13.8
  Top Layer w0.3: C24.2 67.666,60.434 67.666,62.23 69.317,63.881 69.317,69.215 70.967,70.866 U3.43
NetC25_2: C25.2 U3.24
NetC26_2: C26.2 U3.23 | length 22
  Top Layer w0.3: C26.2 v1(70.612,68.605) ; U3.23 73.66,83.566 74.854,82.372 v1(74.854,80.645)
  Bottom Layer w0.3: v1(70.612,68.605) 73.949,71.942 73.949,75.905 75.108,77.064 75.108,80.391 v1(74.854,80.645)
NetC27_1: C27.1 U3.15 | length 31.7
  Top Layer w0.3: v1(61.443,66.573) 60.909,66.04 60.909,64.437 C27.1 ; v1(75.921,81.788) 75.921,80.301 77.101,79.121 U3.15
  Bottom Layer w0.3: v1(61.443,66.573) 61.443,68.936 74.295,81.788 v1(75.921,81.788)
NetC30_1: C30.1 C31.2 L5.2 | length 5.7
  Top Layer w0.3: L5.2 48.544,88.716 C31.2 49.147,88.113 C30.1
NetC32_1: C32.1 C33.2 L6.2 | length 5.7
  Top Layer w0.3: L6.2 48.606,81.541 C33.2 49.176,82.111 52.175,82.111 C32.1
NetC34_2: C34.2 R7.2 | length 7.5
  Top Layer w0.3: R7.2 137.008,33.634 137.008,38.583 C34.2
NetC35_2: C35.2 R27.1 R29.2 U2.2 | length 23.8
  Top Layer w0.3: U2.2 37.846,98.679 37.1,97.933 R27.1 32.997,98.083 31.265,98.083 C35.2 31.115,92.659 32.911,90.863 36.984,90.863 37.053,90.932 R29.2
NetC36_2: C36.2 R28.1 R30.2 U2.6 | length 10.7
  Top Layer w0.3: R30.2 37.966,104.505 39.116,105.655 U2.6 39.116,108.651 R28.1 39.431,110.683 C36.2
NetC40_2: C40.2 R12.1 R14.2 U1.2 | length 29.6
  Top Layer w0.3: v1(40.742,93.218) 41.834,92.126 48.108,92.126 48.819,92.837 R14.2 ; C40.2 44.473,98.083 46.078,98.083 R12.1 ; v1(44.628,97.104) 46.228,97.104 R12.1 ; U1.2 51.943,99.187 50.689,97.933 R12.1
  Bottom Layer w0.3: v1(40.742,93.218) v1(44.628,97.104)
NetC41_2: C41.2 R13.1 R15.2 U1.6 | length 10.8
  Top Layer w0.3: R15.2 52.063,104.505 53.213,105.655 U1.6 53.213,107.263 53.528,107.578 R13.1 53.228,109.139 C41.2
NetC42_1: C42.1 VR2.4 | length 33.9
  Top Layer w0.3: C42.1 25.019,43.053 25.019,68.631 27.317,70.929 28.575,70.929 28.984,71.338 28.984,71.755 VR2.4
NetC42_2: C42.2 D3.2 L7.1 VR2.5 | length 118.1
  Top Layer w0.3: VR2.5 35.154,71.755 v1(35.154,68.656) ; D3.2 37.474,40.377 36.054,41.797 28.465,41.797 C42.2 26.797,40.129 26.797,24.13 28.626,22.301 42.101,22.301 49.568,29.769 49.568,30.175 ; v1(42.697,68.656) 42.697,29.21 43.04,28.867 48.26,28.867 49.568,30.175 ; L7.1 49.568,30.175
  Bottom Layer w0.3: v1(35.154,68.656) v1(42.697,68.656)
NetC44_2: C44.2 R11.1 | length 8.6
  Top Layer w0.3: C44.2 71.49,117.07 72.99,115.57 R11.1
NetC46_2: C46.2 R16.1 | length 9.2
  Top Layer w0.3: C46.2 87.357,115.681 88.738,114.3 R16.1
NetC50_2: C50.2 R17.1 | length 7.6
  Top Layer w0.3: C50.2 71.025,107.156 72.398,105.783 R17.1
NetC52_2: C52.2 R20.1 | length 7
  Top Layer w0.3: C52.2 84.049,107.283 84.906,106.426 R20.1
NetC55_1: C55.1 R31.1 R33.2 U1.3 U1.5 | length 21.4
  Top Layer w0.3: R31.1 45.912,96.393 47.56,96.393 ; R33.2 47.56,96.393 ; U1.5 54.483,105.655 53.213,104.385 U1.3 53.213,98.298 52.197,97.282 49.465,97.282 C55.1 47.56,96.393
NetC69_1: C69.1 R18.2 R19.1 U2.3 U2.5 | length 17.3
  Top Layer w0.3: R18.2 36.19,96.901 C69.1 ; R19.1 35.749,95.504 C69.1 ; U2.5 40.386,105.655 39.116,104.385 U2.3 39.116,98.871 C69.1
NetLED1_1: LED1.1 R24.1 | length 7.3
  Top Layer w0.3: LED1.1 86.385,29.994 86.385,33.405 85.382,34.409 R24.1
NetLED2_1: LED2.1 R35.1 | length 7.8
  Top Layer w0.3: R35.1 87.549,34.163 89.611,32.101 89.611,30.607 88.311,29.307 LED2.1
NetQ1_3: Q1.3 R24.2 | length 9.4
  Top Layer w0.3: Q1.3 82.867,29.972 83.212,30.317 83.212,34.361 83.721,34.869 83.721,36.302 84.432,37.014 R24.2
NetQ2_3: Q2.3 R35.2 | length 8.1
  Top Layer w0.3: Q2.3 82.287,35.059 83.167,35.938 83.167,36.652 84.437,37.922 87.092,37.922 87.549,37.465 R35.2
NetR4_2: R4.2 U3.7 | length 45.9
  Top Layer w0.3: v1(63.576,66.37) 62.332,67.615 60.96,67.615 60.35,67.005 60.35,63.475 61.277,62.547 61.912,62.547 62.941,63.576 64.214,63.576 R4.2 ; U3.7 83.159,74.041 v1(84.633,75.514)
  Bottom Layer w0.3: v1(63.576,66.37) 71.288,66.37 75.294,70.376 75.294,74.608 76.2,75.514 v1(84.633,75.514)
NetR5_2: R5.2 U3.8 | length 35.9
  Top Layer w0.3: v1(68.148,67.564) 68.148,64.739 R5.2 ; U3.8 82.016,74.676 84.811,77.47 v1(86.639,77.47)
  Bottom Layer w0.3: v1(68.148,67.564) 71.27,67.564 74.739,71.033 74.739,74.841 77.368,77.47 v1(86.639,77.47)
NetR21_1: R21.1 R22.2 VR1.2 | length 41
  Top Layer w0.3: VR1.2 29.972,48.133 26.416,48.133 25.019,49.53 25.019,74.552 R22.2 26.924,78.288 28.13,79.495 30.124,79.495 30.879,78.74 30.879,78.232 R21.1
pads on no net: J1.4 SW.3 SW.4 U3.9 U3.10 VR2.2 VR2.9

## Silkscreen, mask and mechanical layers (free items; w line width, h text height)
Top Overlay:
  lines w0.254: 59.944,42.545 59.944,102.545 96.944,102.545 96.944,42.545 59.944,42.545

## Text inside footprints (layer, text, board x,y; h text height)
C2: Top Overlay "+" at 56.121,70.256 h1.52 r180
C7: Top Overlay "+" at 56.502,52.73 h1.52 r180